# Altium PCB Mynd_UI.PcbDoc (continued)
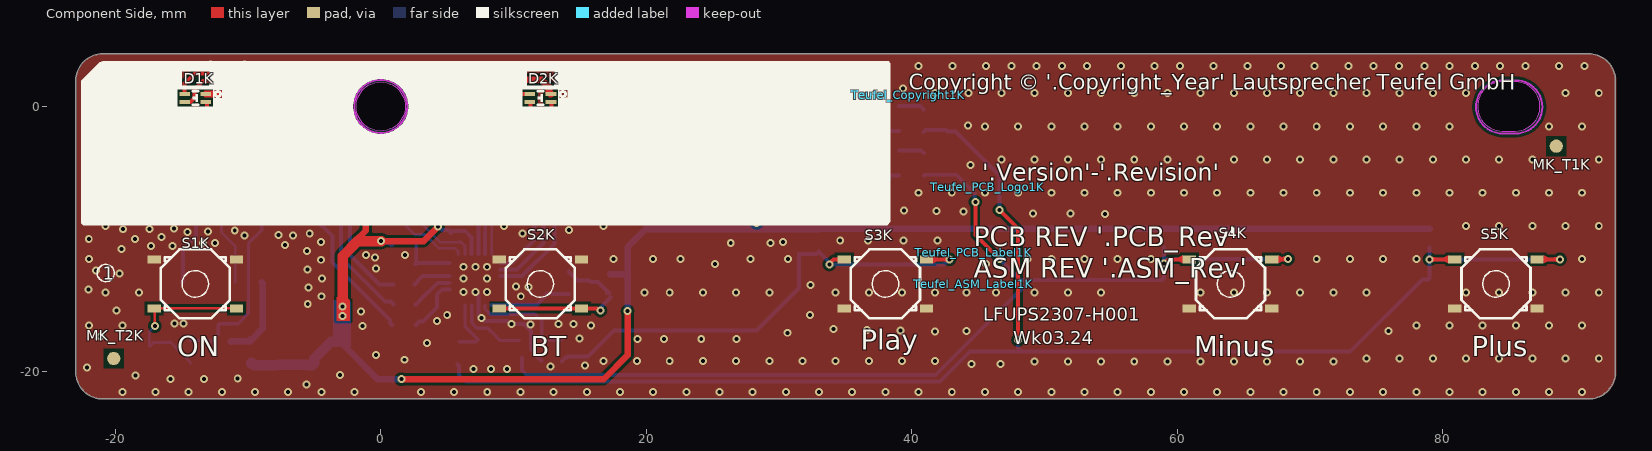
[diagram p0: Component Side view]
## Part data (continued)
R25K R26K R27K R28K: library part Q-001-0033-29, "GPHF SMD RES. 1KOHM 1/10W 1% 0603", Manufacturer=Multi-Sourced, Temp_Coefficient=150ppm, Tolerance=1%, Part_Number=Generic, Part_Type="Resistor SMT", Wattage=1/10W
S1K S2K S3K S4K S5K: library part M-001-0057-2, "SMD SWITCH 4P TC-1316A-H1.5-180G", Manufacturer=[MINGHENG], Part_Number=TC-1316A-H1.5-180GF, Part_Type="Tact Switch SMT"
Teufel_ASM_Label1K: library part CMP-00088-3, "Teufel_ASM_Rev"
Teufel_Copyright1K: library part CMP-00086-3, "Teufel_Copyright_Year"
Teufel_PCB_Label1K: library part CMP-00087-3, "Teufel_PCB_Label"
Teufel_PCB_Logo1K: library part "Teufel NoLogo", "Teufel PCB NoLogo"
Tp1K: library part CMP-00089-1, "Test Point", Design Item ID=TP
TP2K TP3K TP4K TP5K TP6K TP7K TP8K TP9K: library part N-001-00010-2, "Test Point", Design Item ID=TP
U1K: library part R-001-0966-163, "GP SMD IC 24P TQFN AW9523BTQR AWINIC", Manufacturer=AWINIC, Part_Number=AW9523BTQR, Part_Type="Semiconductor Integrated Circuit SMT"

## Via types
v1: diameter 0.6, hole 0.3, Component Side to Solder Side, tented both sides, 501 vias

## Nets (pads, with @x,y where several pads share a name; then routed paths per layer and width w, separated by ;. In a path a pad name is that pad's centre, name@x,y a point inside that pad or via, vN(x,y) a via of type N, cw(c..) or ccw(c..) an arc to the next point about the centre after c; other vN are vias at no path point)
3V3_LED: C2K.1 C3K.1 C5K.2 C6K.2 D1K.C D2K.C FB1K.1 R7K.2 R8K.2 R11K.1 R12K.1 R13K.1 R14K.1 R15K.1 R16K.2 Tp1K.1 U1K.21 | length 179.5
  Component Side w0.25: v1(28.325,-8.775) 28.348,-8.752 28.348,-2.902 v1(31.075,-0.175)
  Component Side w0.5: D1K.C -11.465,0.935 v1(-11.45,0.95) ; v1(-4,-0.15) -4,-0.675 -2.94,-1.735 -1.125,-3.55 ; -1.973,-10.217 -1.125,-9.369 -1.125,-3.55 ; v1(0.025,-10.15) 3.225,-10.15 v1(4.318,-9.057) ; v1(1.55,-20.55) 16.8,-20.55 18.6,-18.75 v1(18.6,-15.425) ; v1(3.709,-2.7) 3.134,-3.275 -0.85,-3.275 -1.125,-3.55 ; Tp1K.1 7.077,-0.023 9.1,2 12.125,2 12.677,1.448 12.677,1.035 12.777,0.935 D2K.C
  Component Side w0.8: v1(-2.875,-15.075) -2.875,-11.275 -1.75,-10.15 v1(0.025,-10.15)
  Solder Side w0.25: v1@28.293,-8.775 v1(28.325,-8.775) ; v1(31.075,-0.175) 31.85,-0.175 R15K.1 ; R15K.1@31.9,-0.175 32.675,0.6 34.575,0.6 35.35,-0.175 R16K.2
  Solder Side w0.3: v1(4.318,-9.057) 4.399,-9.057 4.634,-9.291 5.074,-9.291 C6K.2 ; C6K.2@5.302,-9.387 5.325,-9.365 6.35,-9.365 6.852,-9.866 U1K.21 ; Tp1K.1 8.477,-4.489 R8K.2
  Solder Side w0.5: v1@-11.423,0.95 -5.1,0.95 v1(-4,-0.15) ; C2K.1@-3.19,-17.752 -3.062,-17.88 -2.905,-17.88 -0.235,-20.55 v1(1.55,-20.55) ; v1(0.025,-10.15) 0.052,-10.15 0.102,-10.2 0.725,-10.2 0.825,-10.3 R7K.2@0.825,-10.35 ; v1(3.709,-2.7) 5.449,-2.7 5.642,-2.894 6.881,-2.894 Tp1K.1 ; R11K.1 18.35,-12.65 18.6,-12.9 ; v1(18.6,-15.425) 18.6,-12.9 ; v1(28.325,-8.775) 28.325,-8.8 27.889,-9.236 ; R14K.1 R13K.1 R12K.1 33.006,-9.236 27.889,-9.236 ; 18.6,-12.9 18.6,-10.6 19.964,-9.236 27.889,-9.236
  Solder Side w0.8: FB1K.1 -9.75,-19.375 -9.65,-19.375 -9.524,-19.5 C3K.1 ; C3K.1@-7.642,-19.45 -5.525,-19.45 C5K.2 -5.15,-19.475 -5,-19.325 -5,-19.005 -3.725,-17.73 -3.45,-17.73 C2K.1@-3.325,-17.73 ; C2K.1 C2K.1@-3.325,-17.73 ; v1(-2.875,-15.775) -2.875,-17.23 -3.325,-17.68 C2K.1@-3.325,-17.73
3V3_STB: C1K.1 FB1K.2 P1K.3 TP2K.1 | length 6.5
  Solder Side w0.5: C1K.1 -11.247,-17.677 -9.802,-17.677 FB1K.2@-9.9,-17.58 ; FB1K.2@-9.775,-17.6 FB1K.2@-9.75,-17.575 ; FB1K.2 FB1K.2@-9.75,-17.575 ; P1K.3 -8.9,-13.325 -8.9,-16.425 -8.9,-16.725 FB1K.2@-9.75,-17.575
\P_Btn: C7K.1 FB2K.1 P1K.4 TP3K.1 | length 15.7
  Solder Side w0.25: FB2K.1@-14.075,-17.35 FB2K.1 -13.78,-17.625 -12.93,-17.625 C7K.1 -12.775,-17.73 -12.5,-17.455 -12.5,-17.405 -12.249,-17.154 -12.249,-16.474 TP3K.1 -10.75,-16.375 -9.97,-15.595 -9.97,-10.32 -8.975,-9.325 P1K.4
\UI_Int: ESD3K.2 P1K.8 TP6K.1 U1K.22 | length 29.2
  Solder Side w0.3: P1K.8@-12.662,-6.636 -12.662,-3.928 -10.785,-2.05 -3.862,-2.05 -2.063,-3.85 1.946,-3.85 TP6K.1@3.768,-5.672 ; TP6K.1 TP6K.1@3.768,-5.672 ; U1K.22 7.352,-8.715 5.645,-7.008 5.645,-6.533 ESD3K.2 4.927,-6.465 4.134,-5.672 TP6K.1@3.768,-5.672
\UI_Rst: ESD4K.2 P1K.9 TP7K.1 U1K.23 | length 40
  Solder Side w0.3: P1K.9 -14.906,-13.181 -14.906,-10.726 -13.925,-9.744 -13.925,-3.45 TP7K.1 TP7K.1@-12.462,-2.262 ; TP7K.1@-12.375,-2.175 -11.75,-1.55 -3.6,-1.55 -1.8,-3.35 2.925,-3.35 5.25,-3.35 6.325,-4.425 6.325,-6.2 6.55,-6.425 6.962,-6.425 ESD4K.2 7.002,-7.502 7.875,-8.375 7.875,-9.575 7.852,-9.598 U1K.23
Btn_BT: ESD6K.2 R11K.2 R25K.2 S2K.3 S2K.4 | length 12.8
  Component Side w0.3: S2K.3 16.308,-15.215 16.469,-15.375 v1(16.55,-15.375)
  Solder Side w0.3: R25K.2@14.2,-12.425 14.2,-12.475 14.85,-13.125 15.7,-13.125 15.799,-13.224 16.374,-13.224 17.05,-13.9 17.05,-14.05 R11K.2@17.2,-14.05 ; v1(16.55,-15.375) 16.607,-15.318 16.607,-15.093 17.3,-14.4 R11K.2
Btn_Minus: C9K.1 ESD8K.2 R13K.2 R21K.1 R27K.2 S4K.3 S4K.4 | length 80.5
  Component Side w0.3: v1(44.8,-7.2) 44.8,-9.675 v1(46.625,-11.5) ; v1(59.002,-11.84) 59.083,-11.84 59.408,-11.515 S4K.4 ; S4K.3 67.14,-11.502 68.34,-11.502 v1(68.352,-11.49)
  Solder Side w0.3: R27K.2@10.65,-18.961 10.65,-19.875 11,-20.225 11.55,-20.225 41.8,-20.225 48.96,-13.065 ; R21K.1 40.98,-5.145 C9K.1 43.37,-5.145 44.743,-6.518 44.743,-7.143 v1(44.8,-7.2) ; v1(46.625,-11.5) 48.19,-13.065 48.96,-13.065 ; ESD8K.2@59.002,-12.815 59.002,-12.94 58.877,-13.065 48.96,-13.065 ; ESD8K.2@59.027,-12.815 59.027,-11.865 v1(59.002,-11.84) 59.027,-11.815 R13K.2@59.027,-10.615 ; 59.04,-11.502 68.34,-11.502 v1(68.352,-11.49)
Btn_On: C8K.1 ESD5K.2 FB2K.2 S1K.3 S1K.4 | length 13.5
  Component Side w0.2: v1(-17.025,-16.55) -17.025,-15.415 -17.225,-15.215 -17.25,-15.215 S1K.4
  Solder Side w0.2: v1(-17.025,-16.55) -17.45,-16.975 -17.45,-18.05 ESD5K.2 -17.4,-18.075 -17.225,-17.9 -17.225,-17.897 -17.108,-17.78 C8K.1@-15.875,-17.78 ; C8K.1@-15.896,-17.73 -15.85,-17.73 -15.55,-18.03 -15.55,-18.076 -14.65,-18.975 -14.35,-19.275 FB2K.2
Btn_Play: ESD7K.2 R12K.2 R26K.2 S3K.3 S3K.4 | length 38
  Component Side w0.3: v1(33.8,-11.9) 33.8,-11.843 34.114,-11.529 34.642,-11.529 34.777,-11.665 S3K.4 ; S3K.3 v1(42.852,-11.515)
  Solder Side w0.3: R26K.2 13.675,-19.175 13.925,-18.925 14.026,-18.925 14.101,-18.85 15.6,-18.85 17.575,-16.875 28.3,-16.875 31.5,-13.675 ESD7K.2 32.817,-11.125 R12K.2@33.025,-10.917 ; R12K.2 R12K.2@33.025,-10.917 ; v1(42.852,-11.515) 42.812,-11.515 42.427,-11.9 v1(33.8,-11.9) 33.743,-11.843 33.743,-11.68 33.025,-10.962 R12K.2@33.025,-10.917
Btn_Plus: C4K.1 ESD9K.2 R14K.2 R18K.1 R28K.2 S5K.3 S5K.4 | length 114.1
  Component Side w0.3: v1(46.625,-7.8) 48.025,-9.2 v1(48.025,-17.6) ; v1(79.027,-11.515) S5K.4 ; S5K.3 v1(88.852,-11.515)
  Solder Side w0.3: R28K.2@5.8,-19.45 5.9,-19.55 5.9,-20.225 6.4,-20.725 42.15,-20.725 44.4,-18.475 48.3,-18.475 ; R18K.1 41.055,-1.77 C4K.1 42.704,-1.899 43.299,-1.899 46.61,-5.21 46.61,-7.785 v1(46.625,-7.8) ; v1(48.025,-17.6) 48.025,-18.2 48.3,-18.475 ; ESD9K.2 78.942,-13.025 78.5,-13.025 73.05,-18.475 48.9,-18.475 48.3,-18.475 ; ESD9K.2@79.027,-12.748 v1(79.027,-11.515) ; R14K.2@79.027,-10.615 v1(79.027,-11.515) ; v1(88.852,-11.515) v1(79.027,-11.515)
GND: C1K.2 C2K.2 C3K.2 C4K.2 C5K.1 C6K.1 C7K.2 C8K.2 C9K.2 C10K.2 C11K.2 C12K.2 C13K.2 C14K.2 ESD1K.1 ESD2K.1 ESD3K.1 ESD4K.1 ESD5K.1 ESD6K.1 ESD7K.1 ESD8K.1 ESD9K.1 ESD10K.1 P1K.1 P1K.2 P1K.7 P1K.10 P1K.11 Q3K.S R9K.2 R10K.2 R23K.1 R24K.1 S1K.1 S1K.2 S2K.1 S2K.2 S3K.1 S3K.2 S4K.1 S4K.2 S5K.1 S5K.2 TP8K.1 U1K.0 U1K.9 | length 15.5
  Component Side w0.2: v1(-10.35,-2.7) v1(-9.075,-2.7)
  Solder Side w0.3: v1(7.126,-13.983) 7.352,-14.209 U1K.9 7.352,-15.707 7.82,-16.175 9.544,-16.175 9.769,-16.4 v1(9.85,-16.4) ; v1@9.931,-16.4 10.785,-16.4 11.315,-16.93 11.315,-18.325 11.82,-18.83 11.82,-18.88 12.07,-19.13 C12K.2
  Solder Side w0.5: ESD2K.1 v1(1.352,-6.59) ; ESD1K.1 v1(2.902,-6.505) ; v1(4.552,-7.19) 4.571,-7.209 4.571,-7.339 5.252,-8.02 C6K.1 ; v1(5,-4.775) 5.019,-4.794 5.019,-5.082 5.552,-5.615 ESD3K.1 ; ESD4K.1 7.002,-4.615 v1(7.027,-4.59)
  other v1: -19.475,-21.5 -16.975,-21.5 -14.475,-21.5 -11.975,-21.5 -9.475,-21.5 -6.975,-21.5 -4.475,-21.5 -1.975,-21.5 3.025,-21.5 5.525,-21.5 8.025,-21.5 10.525,-21.5 13.025,-21.5 15.525,-21.5 18.025,-21.5 20.525,-21.5 23.025,-21.5 25.525,-21.5 28.025,-21.5 30.525,-21.5 33.025,-21.5 35.525,-21.5 38.025,-21.5 40.525,-21.5 43.025,-21.5 45.525,-21.5 48.025,-21.5 50.525,-21.5 53.025,-21.5 55.525,-21.5 58.025,-21.5 60.525,-21.5 63.025,-21.5 65.525,-21.5 68.025,-21.5 70.525,-21.5 73.025,-21.5 75.525,-21.5 78.025,-21.5 80.525,-21.5 83.025,-21.5 85.525,-21.5 88.025,-21.5 90.525,-21.5 -5.6,-20.95 -13.3,-20.55 -15.85,-20.525 -10.775,-20.5 -18.475,-20.275 -3.075,-20.25 8.31,-19.78 6.975,-19.775 9.5,-19.775 -22.125,-19.675 12.775,-19.575 15.4,-19.525 44.509,-19.417 46.712,-19.389 49.275,-19.208 51.775,-19.208 54.275,-19.208 56.775,-19.208 59.275,-19.208 61.775,-19.208 64.275,-19.208 66.775,-19.208 69.275,-19.208 71.775,-19.208 16.775,-19.183 19.308,-19.189 21.775,-19.183 24.275,-19.183 26.775,-19.183 29.275,-19.183 31.775,-19.183 34.275,-19.183 36.775,-19.183 39.275,-19.183 41.775,-19.183 1.775,-19.083 74.275,-19 76.775,-19 79.275,-19 81.775,-19 84.275,-19 86.775,-19 89.275,-19 91.775,-19 -0.371,-18.729 3.475,-17.825 19.35,-17.525 21.35,-17.525 24.15,-17.525 26.8,-17.525 14.971,-17.467 -21.125,-17.325 30.65,-17.05 41.775,-16.95 44.125,-16.9 75.925,-16.9 39.175,-16.875 36.625,-16.825 34.1,-16.775 -1.384,-16.555 -21.975,-16.5 -19.475,-16.5 15.825,-16.5 78.025,-16.5 80.525,-16.5 83.025,-16.5 85.525,-16.5 88.025,-16.5 90.525,-16.5 11.275,-16.425 14.525,-16.4 -15.525,-16.35 -14.85,-16.35 13.4,-16.375 4.225,-16.175 7.586,-15.941 32.35,-15.725 5.01,-15.71 -1.473,-15.45 -19.925,-15.375 -5.5,-14.875 -4.475,-14.3 10.55,-14.3 -20.725,-14 -18.225,-14 19.873,-14 21.775,-14 24.275,-14 26.775,-14 29.275,-14 34.275,-14 36.775,-14 39.275,-14 41.775,-14 44.123,-14 46.373,-14 49.275,-14 51.775,-14 54.275,-14 61.775,-14 64.275,-14 66.775,-14 69.275,-14 71.775,-14 74.275,-14 81.775,-14 84.275,-14 86.775,-14 89.275,-14 91.775,-14 6.237,-13.983 8.015,-13.983 -22.025,-13.775 -5.45,-13.65 11.15,-13.6 10.2,-13.575 32.375,-13.45 -4.425,-12.975 6.237,-12.967 8.015,-12.967 -19.675,-12.6 -21.45,-12.35 -5.525,-12.275 -0.35,-12.2 6.237,-12.078 7.126,-12.078 8.015,-12.078 25.168,-11.857 45.6,-11.852 -4.5,-11.55 -21.975,-11.5 17.548,-11.5 20.525,-11.5 22.573,-11.5 27.873,-11.5 30.698,-11.5 48.723,-11.5 50.525,-11.5 53.025,-11.5 55.525,-11.5 58.025,-11.5 70.525,-11.5 73.025,-11.5 75.525,-11.5 78.025,-11.5 90.525,-11.5 -0.45,-11.375 -1.125,-11.2 1.825,-11.175 -5.55,-10.9 -19.55,-10.725 -17.325,-10.525 -15.678,-10.523 -7.2,-10.45 -13.375,-10.3 26.372,-10.298 -12.5,-10.275 29.35,-10.275 -4.5,-10.2 30.322,-10.198 34.622,-10.098 36.722,-10.098 39.372,-10.098 41.947,-10.098 -22,-10 -18.5,-9.975 -16.525,-9.825 -10.267,-9.733 -6.625,-9.725 -7.7,-9.675 -5.35,-9.575 10.675,-9.575 -14.575,-9.475 -13.025,-9.425 -11,-9.35 14.2,-9.3 -19.425,-9.25 -17.42,-9.222 -15.585,-9.201 -20.725,-9 9.275,-9 16.775,-9 81.775,-9 84.275,-9 86.775,-9 89.275,-9 91.775,-9 19.275,-8.569 21.775,-8.486 24.275,-8.486 26.775,-8.486 29.275,-8.486 31.798,-8.486 -21.9,-8.45 -18.5,-8.225 54.565,-8.115 49.14,-8.065 51.959,-8.059 43.9,-7.9 41.865,-7.865 36.94,-7.84 39.44,-7.84 33.05,-7.8 34.615,-7.79 -5.85,-7.375 -20.825,-7.35 -19.525,-7.325 0.4,-7.15 -1.925,-7.1 22.577,-6.948 -3.275,-6.725 -5.825,-6.625 33.015,-6.59 -21.975,-6.5 18.025,-6.5 20.525,-6.5 25.525,-6.5 27.723,-6.5 30.698,-6.5 35.525,-6.5 38.025,-6.5 40.525,-6.5 43.025,-6.5 45.525,-6.5 48.025,-6.5 50.525,-6.5 53.025,-6.5 55.525,-6.5 58.025,-6.5 60.525,-6.5 63.025,-6.5 65.525,-6.5 68.025,-6.5 70.525,-6.5 73.025,-6.5 75.525,-6.5 78.025,-6.5 80.525,-6.5 83.025,-6.5 85.525,-6.5 88.025,-6.5 90.525,-6.5 -18.5,-6.4 -3.3,-5.975 -5.825,-5.55 -19.525,-5.4 30.65,-5 4.256,-4.756 -5.85,-4.725 7.656,-4.631 0.325,-4.55 44.425,-4.425 -20.725,-4 9.275,-4 10.156,-3.981 16.775,-4 19.275,-4 21.775,-4 24.275,-4 46.775,-4 49.275,-4 51.775,-4 54.275,-4 56.775,-4 59.275,-4 61.775,-4 64.275,-4 66.775,-4 69.275,-4 71.775,-4 74.275,-4 76.775,-4 79.275,-4 81.775,-4 84.275,-4 86.775,-4 91.775,-4 -22,-3.7 -14.575,-3.67 -15.821,-3.34 -14.135,-2.74 -7.95,-2.725 -18.175,-2.7 -5.25,-2.7 36.55,-2.55 21.65,-2.525 17.577,-1.948 28.247,-1.903 5.525,-1.783 8.025,-1.783 9.45,-1.7 -21.975,-1.5 -19.475,-1.5 3.025,-1.5 20.525,-1.5 23.025,-1.5 45.525,-1.5 48.025,-1.5 50.525,-1.5 53.025,-1.5 55.525,-1.5 58.025,-1.5 60.525,-1.5 63.025,-1.5 65.525,-1.5 68.025,-1.5 70.525,-1.5 73.025,-1.5 75.525,-1.5 78.025,-1.5 80.525,-1.5 88.025,-1.5 90.525,-1.5 -14.445,-1.475 44.25,-1.425 -13.675,-0.675 -7.825,-0.175 -17.85,-0.125 8.325,-0.075 21.665,-0.04 -12.265,0.01 -10.85,0.075 -9.85,0.075 -8.875,0.075 27.9,0.275 18.39,0.335 14.025,0.4 16.49,0.41 -22.1,0.425 -19.175,0.625 9.15,0.675 -20.725,1 -15.725,1 -3.225,1 4.275,1 6.775,1 36.775,1 41.775,1 44.275,1 46.775,1 49.275,1 51.775,1 54.275,1 56.775,1 59.275,1 61.775,1 64.275,1 66.775,1 69.275,1 71.775,1 74.275,1 76.775,1 79.275,1 81.775,1 89.275,1 91.775,1 34.275,1.225 39.365,1.36 17.39,1.61 21.315,1.66 25.49,1.71 31.94,1.735 27.615,1.76 29.615,1.76 -17.893,1.765 -5.85,1.925 -22.05,2 -19.7,3.05 -16.623,3.035 -7.733,3.035 -5.828,3.035 -3.288,3.035 -0.113,3.035 1.792,3.035 4.332,3.035 6.237,3.035 8.142,3.035 10.682,3.035 12.587,3.035 14.492,3.035 16.397,3.035 18.302,3.035 20.207,3.035 22.112,3.035 24.652,3.035 26.557,3.035 28.462,3.035 30.367,3.035 32.907,3.035 35.447,3.035 37.987,3.035 40.527,3.035 43.067,3.035 45.607,3.035 47.512,3.035 49.417,3.035 51.322,3.035 53.227,3.035 55.767,3.035 58.307,3.035 60.212,3.035 62.752,3.035 65.292,3.035 67.832,3.035 70.372,3.035 72.912,3.035 74.817,3.035 76.722,3.035 78.627,3.035 80.532,3.035 82.437,3.035 84.342,3.035 86.247,3.035 88.787,3.035 90.692,3.035 -12.813,3.15 -10.273,3.15
I2C2_SCL: ESD2K.2 P1K.6 TP5K.1 U1K.19 | length 22.5
  Solder Side w0.2: P1K.6 -10.975,-4.017 -10.708,-3.75 -4.375,-3.75 -0.561,-7.564 -0.561,-7.593 -0.275,-7.879 TP5K.1 ; TP5K.1@-0.118,-8.307 1.22,-8.307 2.563,-9.65 3.335,-9.65 4.374,-10.69 5.61,-10.69 5.727,-10.807 5.727,-10.821 5.852,-10.946 U1K.19
I2C2_SDA: ESD1K.2 P1K.5 TP4K.1 U1K.20 | length 33.3
  Solder Side w0.2: P1K.5 -10.975,-10.525 -12,-9.5 -12,-4.025 -11.3,-3.325 -4.175,-3.325 -1.525,-5.975 TP4K.1 ; TP4K.1@0.35,-5.565 0.537,-5.752 0.78,-5.752 0.967,-5.565 1.176,-5.565 1.977,-6.365 1.977,-8.102 2.34,-8.465 ESD1K.2 ; ESD1K.2@2.952,-8.49 3.102,-8.64 3.102,-8.852 4.49,-10.24 5.856,-10.24 5.881,-10.215 6.047,-10.215 6.352,-10.52 U1K.20
MCU_RST: ESD10K.2 P1K.12 R19K.1 TP9K.1 | length 51.9
  Solder Side w0.25: P1K.12@-17.125,-7.217 -17.125,-3.4 -16.278,-2.553 -16.278,-2.25 -16.265,-2.238 -15.962,-2.238 -15.825,-2.1 ; ESD10K.2 -15.825,-2.1 ; R19K.1 26.125,-5.35 TP9K.1 22.05,-5.35 17.65,-0.95 4.575,-0.95 2.825,-2.7 -1.7,-2.7 -3.325,-1.075 -13.15,-1.075 -14.175,-2.1 -15.825,-2.1
NetC10K_1: C10K.1 R20K.2 R22K.1 R23K.2 | length 10.6
  Solder Side w0.3: R23K.2 R20K.2 26.275,-1.975 26.525,-2.225 26.675,-2.225 26.701,-2.251 27.676,-2.251 29.7,-4.275 31.025,-4.275 31.65,-4.9 31.9,-5.15 R22K.1 33.625,-5.2 C10K.1@33.7,-5.275
NetC11K_1: C11K.1 R25K.1 U1K.7 | length 5.9
  Solder Side w0.3: U1K.7 11.742,-14.953 12.3,-14.395 12.3,-14.345 12.55,-14.095 C11K.1@12.6,-14.095 ; C11K.1@12.895,-14.125 R25K.1@14.2,-14.125
NetC12K_1: C12K.1 R26K.1 U1K.8 | length 8
  Solder Side w0.25: U1K.8 7.852,-15.252 8.25,-15.65 11.625,-15.65 12.12,-16.145 C12K.1 13.57,-17.63 R26K.1
NetC13K_1: C13K.1 R27K.1 U1K.10 | length 5.5
  Solder Side w0.25: U1K.10 6.852,-16.302 7.25,-16.7 8.08,-16.7 8.685,-17.305 8.685,-17.355 8.96,-17.63 C13K.1 R27K.1@10.46,-17.63
NetC14K_1: C14K.1 R28K.1 U1K.11 | length 4.5
  Solder Side w0.25: R28K.1@5.9,-17.725 7.195,-17.725 7.345,-17.575 6.352,-16.582 U1K.11
NetD1K_B: D1K.B R1K.1 | length 25
  Component Side w0.3: D1K.B -13.086,0.335 -13.086,-0.089 -12.5,-0.675 -8.475,-0.675 -5.125,-4.025 v1(-5.125,-8.35)
  Solder Side w0.3: v1(-5.125,-8.35) -5.051,-8.35 -3.625,-9.776 -3.625,-11.75 0.7,-16.075 0.7,-16.3 R1K.1@0.85,-16.45
NetD1K_G: D1K.G R2K.1 | length 28.3
  Component Side w0.3: D1K.G -14.328,0.335 -14.023,0.64 -14.023,1.285 -13.383,1.925 -8.606,1.925 -3.984,-2.697 v1(-3.984,-7.865)
  Solder Side w0.3: v1(-3.984,-7.865) -3.984,-7.871 -3,-8.855 -3,-11.399 0.307,-14.706 0.757,-14.706 R2K.1
NetD1K_R: D1K.R R3K.1 | length 27.9
  Component Side w0.3: D1K.R -14.773,1.735 -14.008,2.5 -8.474,2.5 -2.6,-3.374 v1(-2.6,-7.725)
  Solder Side w0.3: v1(-2.6,-7.725) -2.6,-7.806 -2.3,-8.106 -2.3,-11.2 -0.1,-13.4 R3K.1
NetD2K_B: D2K.B R6K.1 | length 4.8
  Component Side w0.3: D2K.B 12.864,0.335 12.864,-0.089 14.345,-1.57 14.345,-1.97 v1(14.375,-2)
  Solder Side w0.3: v1(14.375,-2) 14.375,-2.081 14.759,-2.466 R6K.1
NetD2K_G: D2K.G R5K.1 | length 4.8
  Component Side w0.3: D2K.G 11.297,0.335 11.297,-0.089 13.075,-1.867 v1(13.075,-2.4)
  Solder Side w0.3: R5K.1@13.075,-3.663 13.092,-3.646 13.092,-2.417 v1(13.075,-2.4)
NetD2K_R: D2K.R R4K.1 | length 6
  Component Side w0.3: D2K.R 10.552,0.935 10.202,0.585 10.202,-1.227 v1(11.425,-2.45)
  Solder Side w0.3: v1(11.425,-2.45) 11.425,-2.531 11.584,-2.691 R4K.1
NetQ1K_D: Q1K.D R20K.1 | length 2.2
  Solder Side w0.3: R20K.1 26.375,-0.125 26.85,-0.125 27.9,-1.175 Q1K.D@27.95,-1.175
NetQ1K_G: Q1K.G R17K.2 | length 4.4
  Solder Side w0.3: Q1K.G@29.95,-0.225 30.75,-1.025 32.875,-1.025 33.625,-0.275 R17K.2
NetQ1K_S: Q1K.S R15K.2 | length 2
  Solder Side w0.3: Q1K.S@29.95,-2.125 31.7,-2.125 R15K.2
NetQ2K_D: Q2K.D Q4K.S | length 8.3
  Component Side w0.3: v1(37.025,0.175) 37.9,-0.7 v1(37.9,-5.425)
  Solder Side w0.3: v1(37.025,0.175) 37.025,-0.875 Q2K.D ; v1(37.9,-5.425) 37.981,-5.425 38.206,-5.2 Q4K.S
NetQ2K_G: Q2K.G R18K.2 | length 2
  Solder Side w0.3: Q2K.G 40.65,0.05 40.9,-0.2 R18K.2
NetQ2K_S: Q2K.S R16K.1 R17K.1 | length 5.5
  Solder Side w0.3: R17K.1 R16K.1 35.425,-1.85 Q2K.S
NetQ3K_D: Q3K.D R19K.2 | length 2.4
  Solder Side w0.3: R19K.2 27.599,-3.5 27.775,-3.676 27.775,-4 28.025,-4.25 Q3K.D ; Q3K.D@28.066,-4.384 Q3K.D@28.105,-4.422
NetQ3K_G: Q3K.G R22K.2 | length 1.9
  Solder Side w0.3: Q3K.G 31.7,-3.3 R22K.2
NetQ4K_D: Q4K.D R24K.2 | length 2
  Solder Side w0.3: R24K.2 36.25,-3.5 37,-4.25 Q4K.D
NetQ4K_G: Q4K.G R21K.2 | length 2
  Solder Side w0.3: Q4K.G 40.725,-3.3 R21K.2
NetR1K_2: R1K.2 U1K.14 | length 4.2
  Solder Side w0.3: R1K.2@2.65,-16.45 2.9,-16.2 3.2,-16.2 4.25,-15.15 4.25,-14.175 4.635,-13.79 U1K.14
NetR2K_2: R2K.2 U1K.15 | length 3.3
  Solder Side w0.3: R2K.2@2.625,-14.925 R2K.2 2.925,-14.675 2.925,-14.625 4.26,-13.29 U1K.15
NetR3K_2: R3K.2 U1K.16 | length 2.9
  Solder Side w0.3: R3K.2@2.525,-13.425 2.55,-13.425 2.825,-13.15 2.825,-13.125 3.16,-12.79 U1K.16
NetR4K_2: R4K.2 U1K.1 | length 9
  Solder Side w0.3: U1K.1 9.885,-11.79 11.602,-10.073 11.602,-5.895 R4K.2@11.336,-5.629 ; R4K.2 11.334,-5.08 11.334,-5.019 R4K.2@11.856,-5.541
NetR5K_2: R5K.2 U1K.2 | length 9.4
  Solder Side w0.3: U1K.2 10.26,-12.29 12.277,-10.273 12.277,-7.164 13.108,-6.333 R5K.2
NetR6K_2: R6K.2 U1K.3 | length 10.6
  Solder Side w0.3: U1K.3 10.635,-12.79 13.075,-10.35 13.075,-7.575 14.597,-6.053 14.597,-5.542 R6K.2@14.64,-5.499
NetR7K_1: R7K.1 R9K.1 U1K.18 | length 4.2
  Solder Side w0.3: R9K.1@2.575,-11.875 2.661,-11.79 R9K.1@2.675,-11.79 ; R9K.1 R9K.1@2.675,-11.79 ; R7K.1 R9K.1@2.675,-11.79 ; U1K.18 R9K.1@2.675,-11.79
NetR8K_1: R8K.1 R10K.1 U1K.24 | length 5.3
  Solder Side w0.2: U1K.24 8.352,-7.59 8.152,-7.39 8.527,-7.39 R10K.1@9.652,-7.39
pads on no net: MK_T1K.0 MK_T1K.1 MK_T1K.MK_B MK_T1K.MKT MK_T2K.0 MK_T2K.1 MK_T2K.MK_B MK_T2K.MKT U1K.4 U1K.5 U1K.6 U1K.12 U1K.13 U1K.17

## Polygon pours and split planes (outlines as drawn)
no net on Top Overlay "NONET_L-01_P-001" (solid): -20.941,3.394 38.267,3.394 38.403,3.259 38.403,-8.679 38.149,-8.933 -22.43,-8.933 -22.557,-8.806 -22.557,1.955 -21.162,3.35
GND on Component Side "GND_L01_P000" (solid, remove dead copper, pour order 0): -20.915,-22.044 cw(c-20.915,-20.044) -22.915,-20.044 -22.915,1.956 cw(c-20.915,1.956) -20.915,3.956 91.085,3.956 cw(c91.085,1.956) 93.085,1.956 93.085,-20.044 cw(c91.085,-20.044) 91.085,-22.044
GND on Solder Side "GND_L02_P001" (solid, remove dead copper, pour order 1): -20.973,-22.035 cw(c-20.973,-20.035) -22.973,-20.035 -22.973,1.965 cw(c-20.973,1.965) -20.973,3.965 91.027,3.965 cw(c91.027,1.965) 93.027,1.965 93.027,-20.035 cw(c91.027,-20.035) 91.027,-22.035

## Keep-outs
Keep-Out Layer:
  circle w0.15: c0,0 r2
  lines w0.15: 84.527,-2.035 cw(c84.527,-0.035) 84.527,1.965 85.527,1.965 cw(c85.527,-0.035) 85.527,-2.035 84.527,-2.035

## Other copper
Component Side:
  region net 3V3_LED: -3.3,-14.381 -3.3,-16.15 -2.35,-16.15 -2.35,-14.619 -2.712,-14.256 -3.163,-14.256 -3.225,-14.319
Solder Side:
  region net 3V3_LED: -3.575,-14.6 -2.408,-14.6 -2.25,-14.758 -2.25,-18.088 -2.93,-18.088 -3.575,-17.442

## Silkscreen, mask and mechanical layers (free items; w line width, h text height)
Top Overlay:
  circle w0.1: c-20.715,-12.551 r0.65
  pour cut-out: 10.627,1.335 13.427,1.335 13.427,-0.065 10.627,-0.065
  pour cut-out: 13.454,1.24 14.035,1.24 14.035,0.639 13.454,0.639
  pour cut-out: 11.041,2.632 13.073,2.632 13.073,1.637 13.053,1.616 11.041,1.616
  pour cut-out: -14.959,2.632 -12.927,2.632 -12.927,1.637 -12.947,1.616 -14.959,1.616
  pour cut-out: -12.546,1.24 -11.965,1.24 -11.965,0.639 -12.546,0.639
  pour cut-out: -15.373,1.335 -12.573,1.335 -12.573,-0.065 -15.373,-0.065
  text "1" at -20.948,-13.06 h1
  text "LFUPS2307-H001" at 45.4,-16.15 h1
  text "Wk03.24" at 47.65,-17.9 h1
  text "Play" at 36.16,-18.315 h1.5
  text "ON" at -15.346,-18.814 h1.5
  text "BT" at 11.284,-18.814 h1.5
  text "Minus" at 61.295,-18.814 h1.5
  text "Plus" at 82.22,-18.814 h1.5
Bottom Overlay:
  region: 74.8,-2.675 62.8,-2.675 62.8,-14.675 74.8,-14.675
  lines w0.1: -2.575,-17.25 -1.625,-17.25 -1.625,-17.525 ; -2.55,-17.225 -2.35,-17.025 ; -2.525,-17.275 -2.375,-17.425 ; 14.775,-18.475 14.459,-18.159 ; 14.775,-17.8 14.459,-18.116 14.459,-18.159 ; 17,-18.159 14.459,-18.159 ; 5.1,-21.725 5.1,-17.625 -1.787,-17.625 -2.55,-18.387 -2.55,-20.806 -2.55,-21.55 -2.375,-21.725 5.1,-21.725 ; 5.1,-21.725 5.1,-21.725 ; 17,-19.925 24.325,-19.925 24.325,-16.375 17.017,-16.375 17,-16.392 17,-19.925
Mechanical 1:
  circle w0.013: c0.03,0.034 r1.85
  circle w0.013: c0.003,0.009 r1.85
  circle w0.013: c0.006,0.034 r1.85
  circle w0.1: c0,0 r1.85
  lines w0.013: -22.997,-13.489 -22.997,-19.991 ccw(c-20.997,-19.991) -20.997,-21.991 5.505,-21.991 ; -22.997,-4.594 -22.997,2.009 cw(c-20.997,2.009) -20.997,4.009 5.505,4.009 ; -22.994,-4.568 -22.994,2.034 ; -22.97,-13.463 -22.97,-19.966 ccw(c-20.97,-19.966) -20.97,-21.966 5.532,-21.966 ; -22.97,-4.568 -22.97,2.034 cw(c-20.97,2.034) -20.97,4.034 5.532,4.034 ; 14.4,-21.991 55.605,-21.991 ; 14.4,4.009 55.605,4.009 ; 64.5,-21.991 91.003,-21.991 ccw(c91.003,-19.991) 93.003,-19.991 93.003,-13.489 ; 64.5,4.009 91.003,4.009 cw(c91.003,2.009) 93.003,2.009 93.003,-4.594 ; 84.503,-1.841 cw(c84.503,0.009) 84.503,1.859 85.503,1.859 cw(c85.503,0.009) 85.503,-1.841 84.503,-1.841 ; 84.506,-1.816 cw(c84.506,0.034) 84.506,1.884 85.506,1.884 cw(c85.506,0.034) 85.506,-1.816 84.506,-1.816
  lines w0.1: 84.5,-1.85 cw(c84.5,0) 84.5,1.85 ; 85.5,-1.85 ccw(c85.5,0) 85.5,1.85
Mechanical 2:
  drawing of 1636 lines, arcs and shapes, not listed
Top Assembly:
  drawing of 1013 lines, arcs and shapes, not listed
Drill Drawing:
  lines w0.381: -7.365,-42.707 75.657,-42.707 ; -7.365,-35.087 75.657,-35.087 ; 6.388,-46.517 6.388,-31.277 ; 20.684,-46.517 20.684,-31.277 ; 30.766,-46.517 30.766,-31.277 ; 45.732,-46.517 45.732,-31.277 ; 58.208,-46.517 58.208,-31.277 ; -7.365,-46.517 75.657,-46.517 75.657,-31.277 -7.365,-31.277 -7.365,-46.517
  text "Count" at -5.079,-33.944 h1.83
  text "Hole Size" at 7.531,-33.944 h1.83
  text "Plated" at 21.827,-33.944 h1.83
  text "Hole Type" at 31.909,-33.944 h1.83
  text "Via/Pad" at 46.875,-33.944 h1.83
  text "Pad Shape" at 59.351,-33.944 h1.83
  text "501" at -5.079,-37.754 h1.52
  text "0.300mm" at 7.531,-37.754 h1.52
  text "PTH" at 21.827,-37.754 h1.52
  text "Round" at 31.909,-37.754 h1.52
  text "Via" at 46.875,-37.754 h1.52
  text "Rounded" at 59.351,-37.754 h1.52
  text "1" at -5.079,-41.564 h1.52
  text "1.016mm" at 7.531,-41.564 h1.52
  text "PTH" at 21.827,-41.564 h1.52
  text "Round" at 31.909,-41.564 h1.52
  text "Pad" at 46.875,-41.564 h1.52
  text "Rounded" at 59.351,-41.564 h1.52
  text "502 Total" at -5.079,-45.374 h1.52

## Text inside footprints (layer, text, board x,y; h text height)
Teufel_ASM_Label1K: Top Overlay "ASM REV '.ASM_Rev'" at 44.675,-13.4 h2.5
Teufel_Copyright1K: Top Overlay "Copyright © '.Copyright_Year' Lautsprecher Teufel GmbH" at 39.8,0.85 h2
Teufel_PCB_Label1K: Top Overlay "PCB REV '.PCB_Rev'" at 44.7,-11.025 h2.5